# KiCad board SuppChargerTester.kicad_pcb
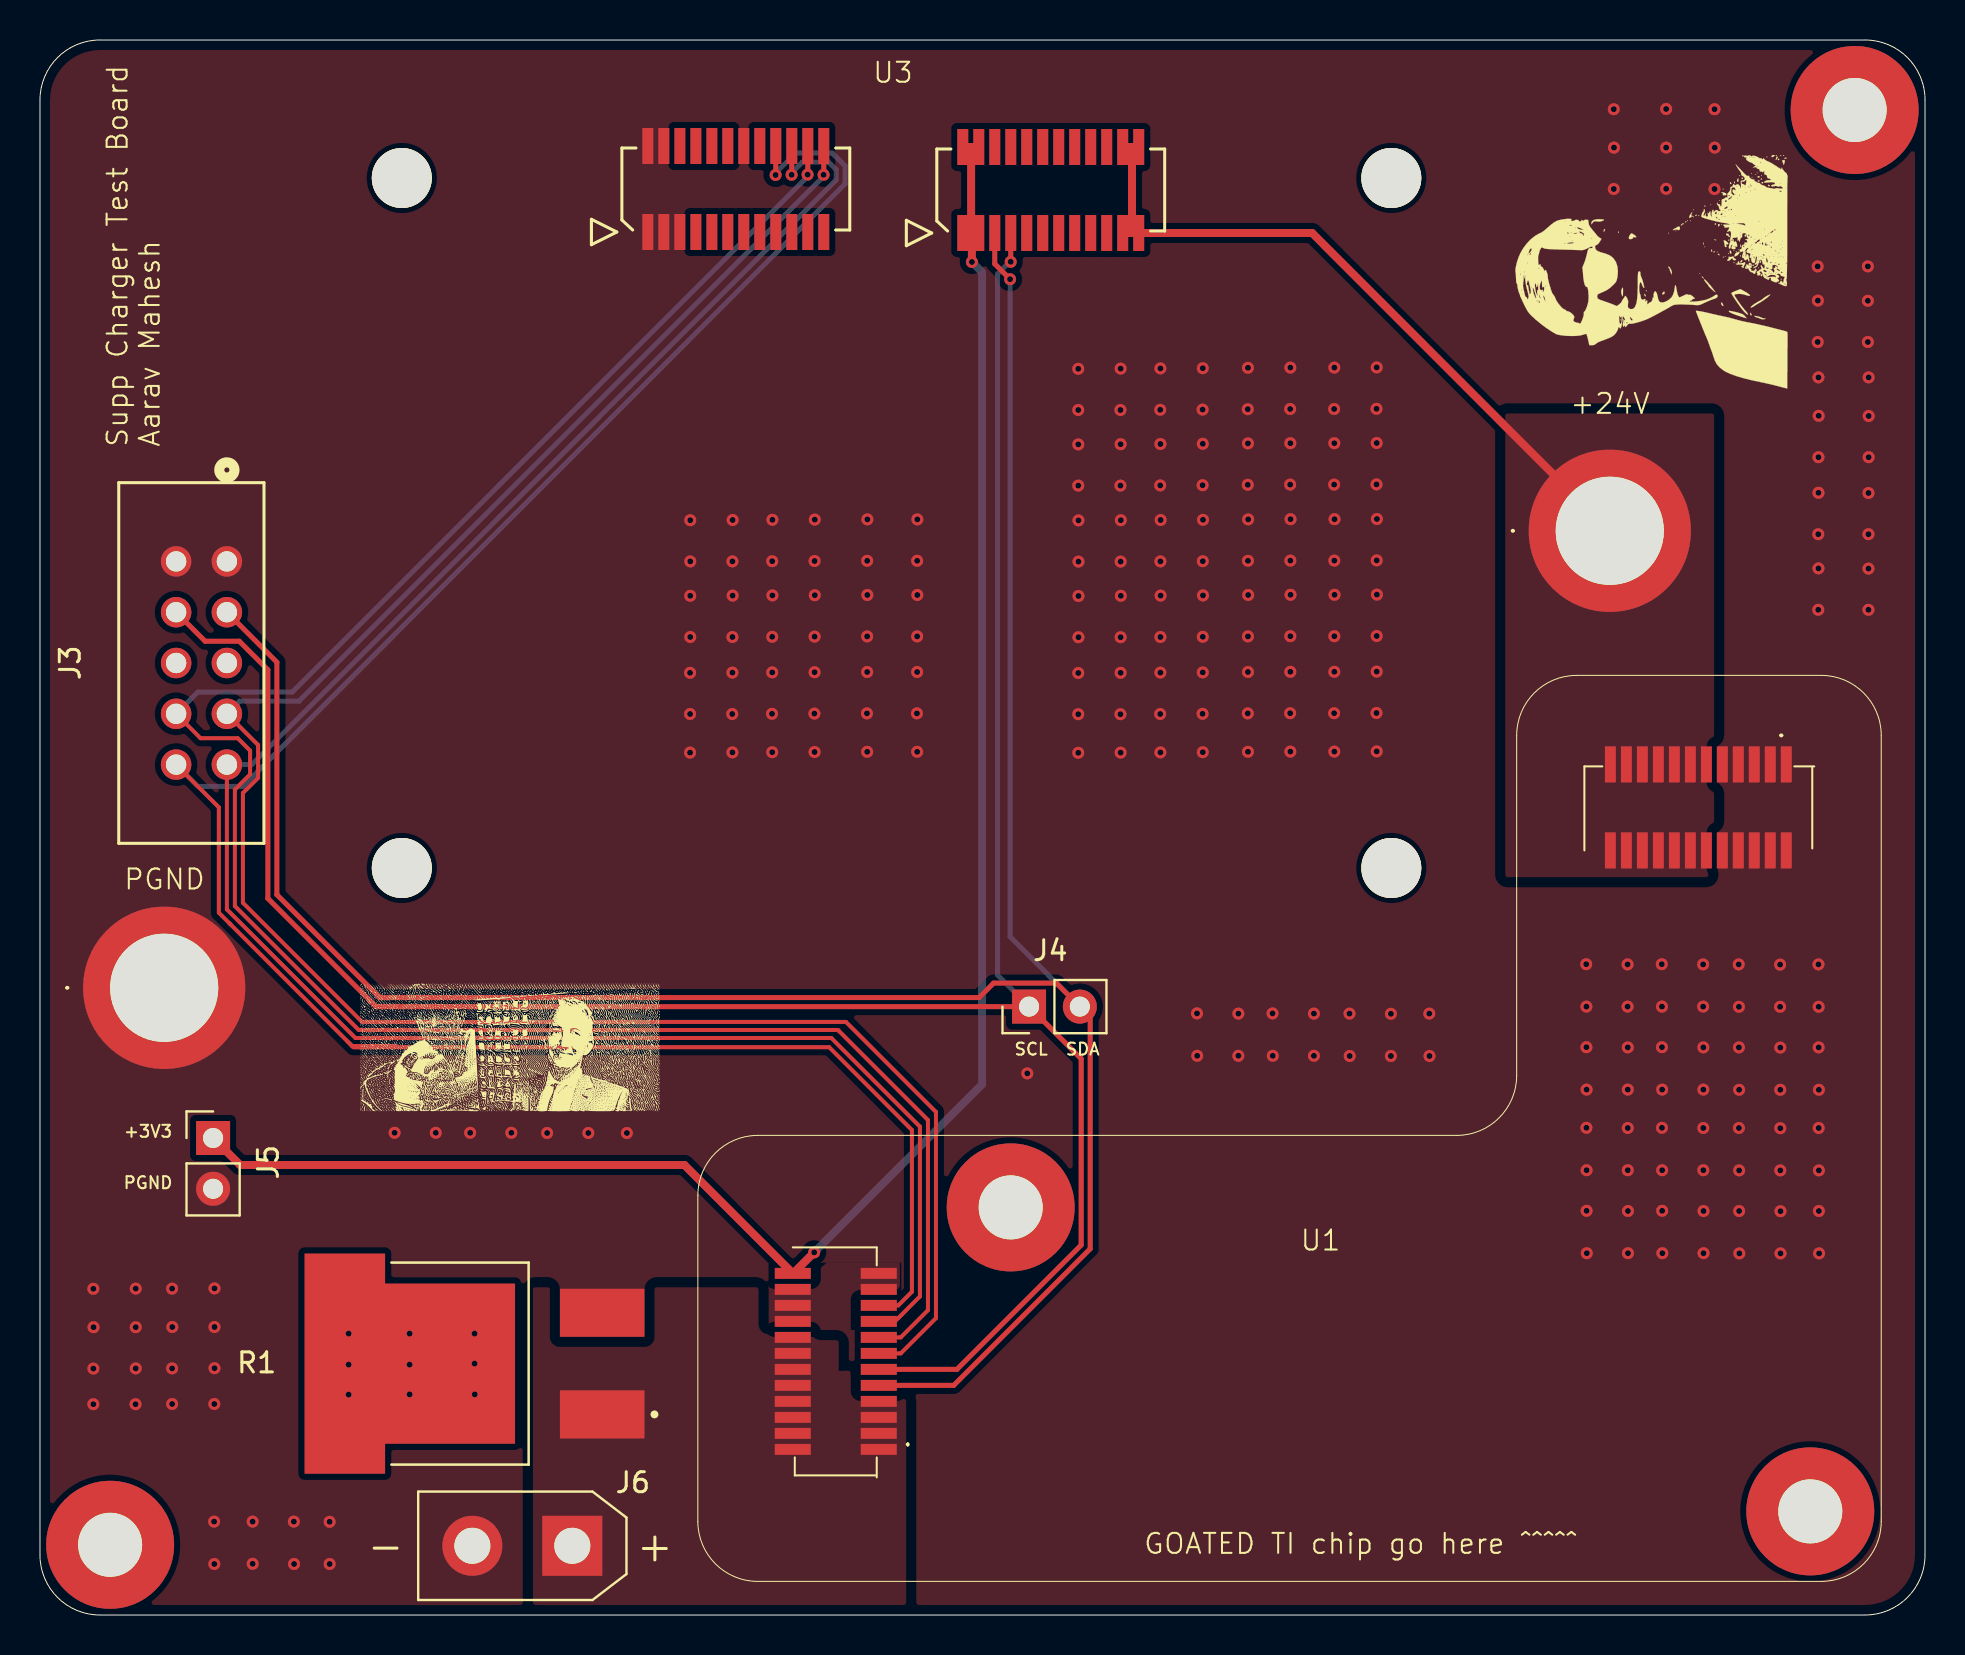
[diagram p0: board, top side]
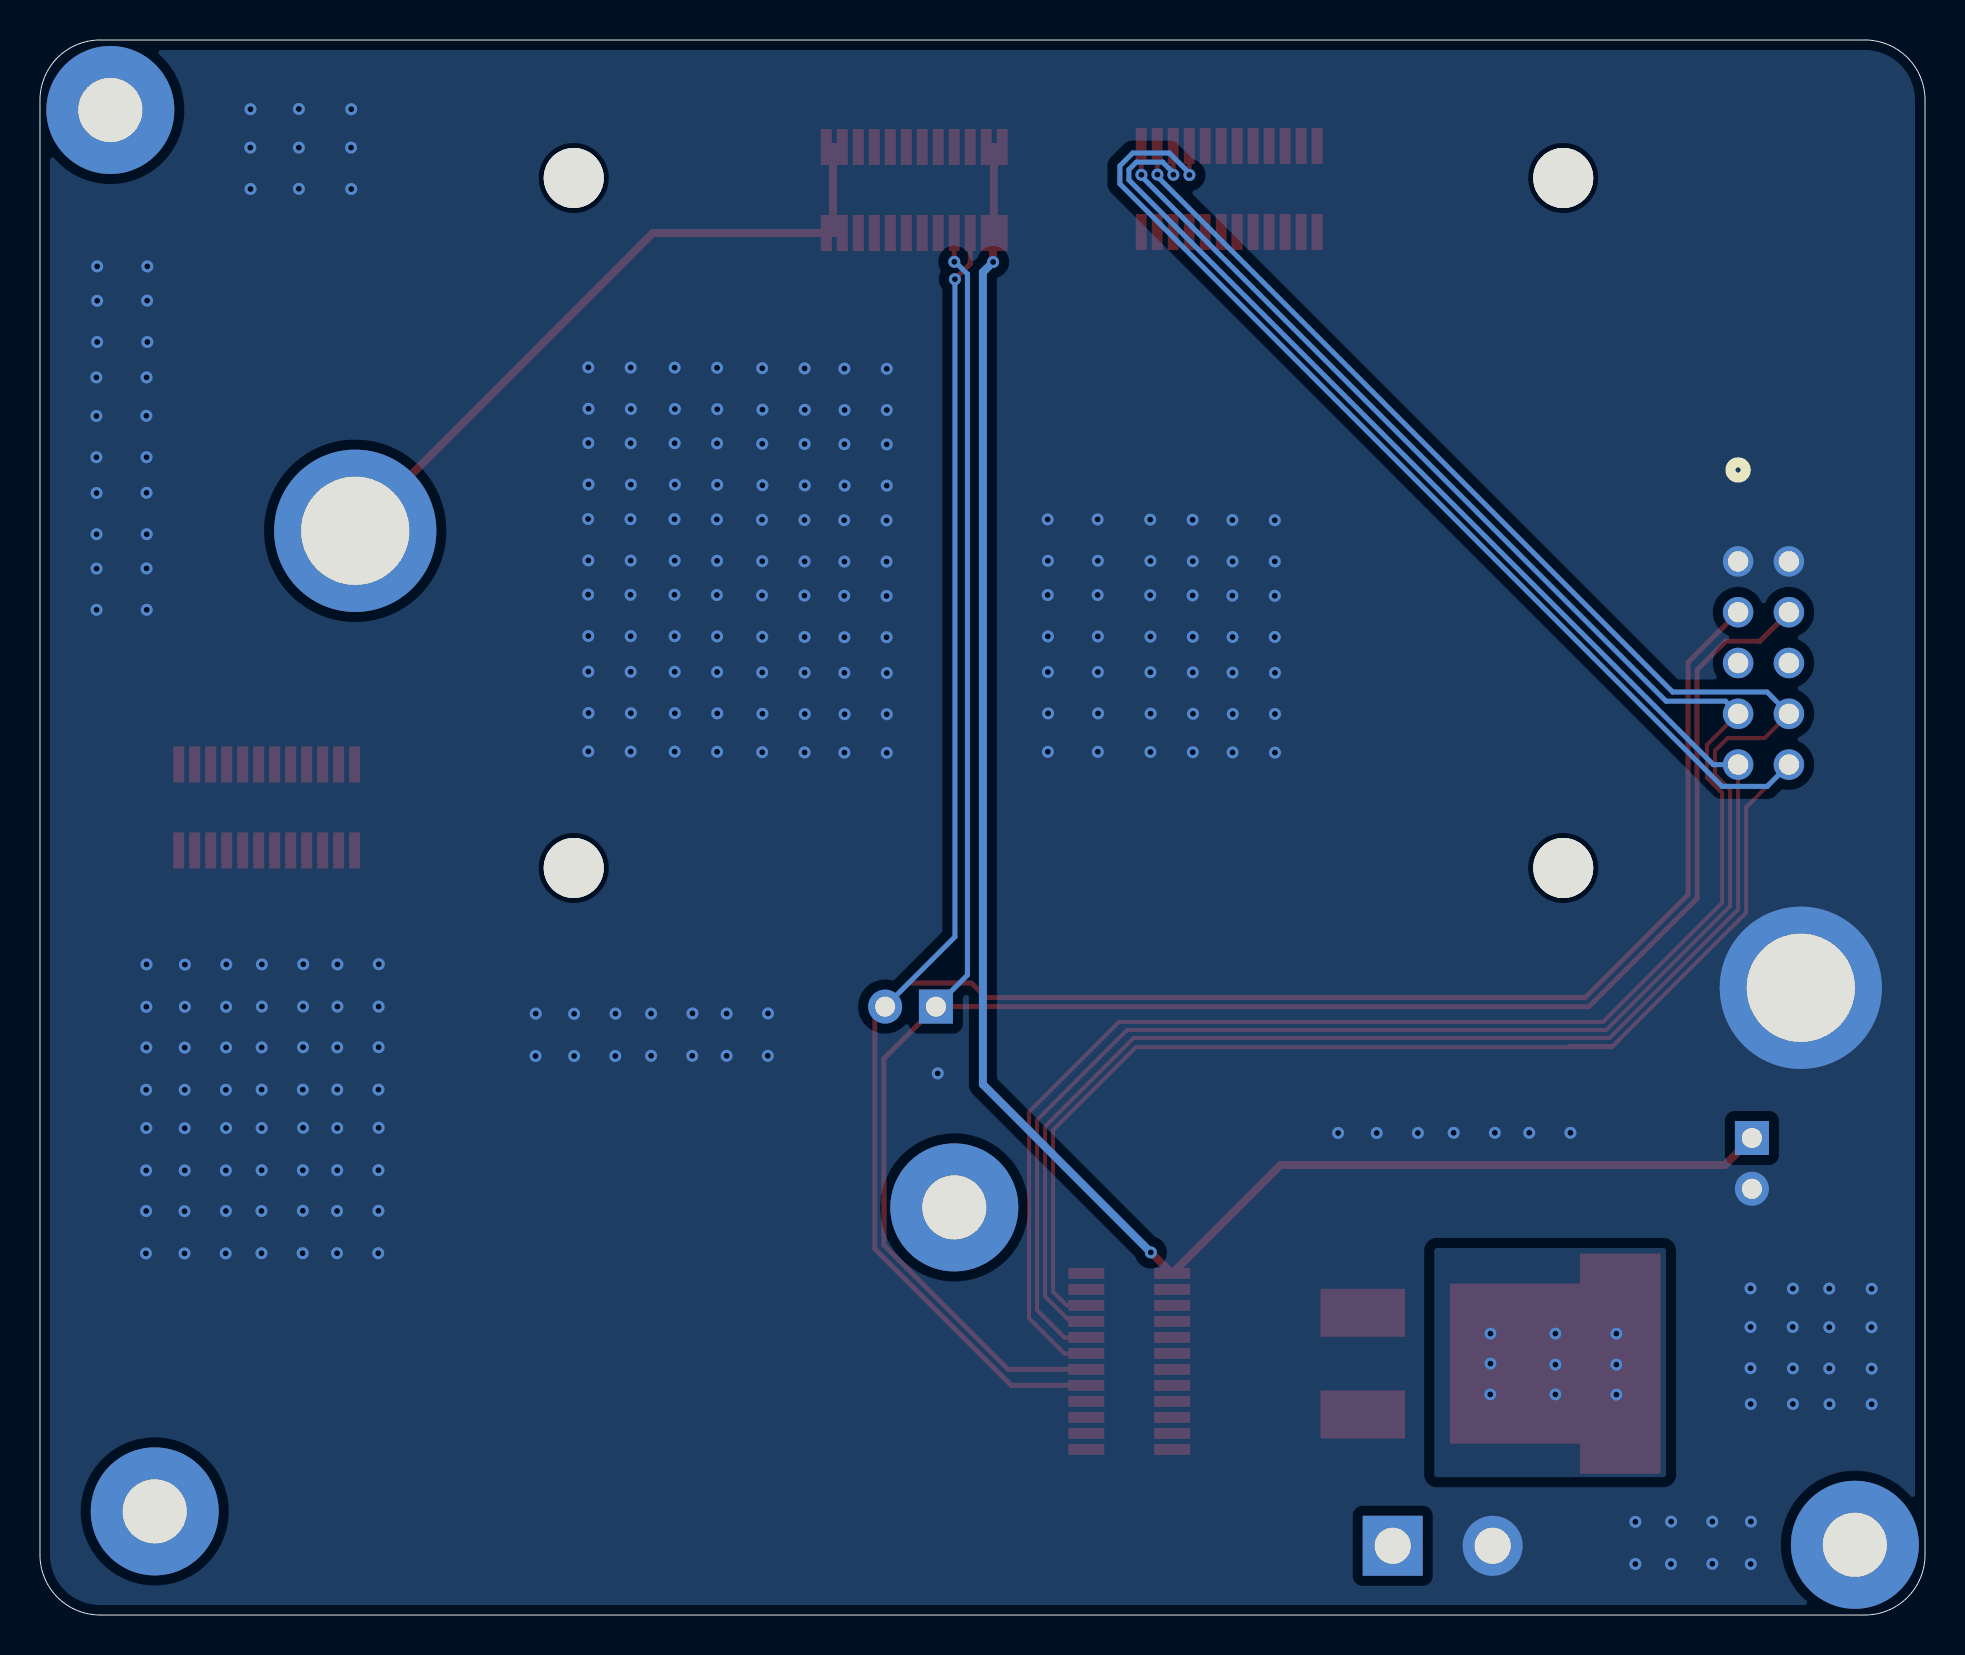
[diagram p1: board, bottom side, seen from below]

Outline 94.3 x 78.75 mm; copper layers: Top, Bottom. Coordinates in mm from the lower left corner of the outline.
Outline path: 0,75.75 arc(0.88,77.87) 3,78.75 91.3,78.75 arc(93.42,77.87) 94.3,75.75 94.3,3 arc(93.42,0.88) 91.3,0 3,0 arc(0.88,0.88) 0,3 0,75.75

## Placement (name value [footprint] x y rotation side)
G***  -  [LOGO]  23.51 28.38 0 top
H1  MountingHole  [MountingHole_3.2mm_M3_Pad_TopBottom]  3.51 3.51 0 top
H2  MountingHole  [MountingHole_3.2mm_M3_Pad_TopBottom]  90.78 75.25 0 top
J1  Conn_01x01  [5754]  78.53 54.21 0 top
J2  Conn_01x01  [5754]  6.21 31.36 0 top
J3  SFH11-PBPC-D05-ST-BK  [CONN_SFH11-xxxC-D05-ST-XX_SUL]  9.35 52.68 270 top
J4  Conn_01x02  [PinHeader_1x02_P2.54mm_Vertical]  49.48 30.42 90 top
J5  Conn_01x02  [PinHeader_1x02_P2.54mm_Vertical]  8.66 23.85 0 top
J6  Conn_01x02  [AMASS_XT30UPB-M_1x02_P5.0mm_Vertical]  26.63 3.46 180 top
LOGO2  Dr. Hallock  [LHRs_LOGO]  8.74 65.19 90 top
LOGO3  Dr. Hallock  [Hallock_Image_Tiny]  80.44 66.68 90 top
R1  PWR263S-35-R500F  [RES_PWR263S-35-3300F]  21.74 12.57 180 top
U1  Supp Charger  [SuppCharger]  81.66 13.13 0 top
U3  -  [LeaderSOM]  42.69 77.3 0 top

## Library data of the parts
H1 H2 = -: Description: Mounting Hole without connection; ki_fp_filters: MountingHole*
J1 J2 = -: Description: Generic connector, single row, 01x01, script generated (kicad-library-utils/schlib/autogen/connector/); ki_fp_filters: Connector*:*_1x??_*
J3 = -: Datasheet: https://www.digikey.com/en/products/detail/sullins-connector-solutions/SFH11-PBPC-D05-ST-BK/1990087?gclsrc=aw.ds&gad_source=1&gad_campaignid=120565755&gbraid=0AAAAADrbLljEsXDDEt5svizMM4jeYrL-A&gclid=Cj0KCQjwwZDFBhCpARIsAB95qO2YCKMg2VQme3QQBBCFa3dTLVMMS-qCbMZE8KZJpYe-_Bi6ULwi-x0aAvv3EALw_wcB; Description: Connector interfacing with logic analyzers; ki_fp_filters: CONN_SFH11-xxxC-D05-ST-XX_SUL
J4-J6 = -: Description: Generic connector, single row, 01x02, script generated (kicad-library-utils/schlib/autogen/connector/); ki_fp_filters: Connector*:*_1x??_*
LOGO2 LOGO3 = -: Description: Graph footprint placeholder
R1 = -: Datasheet: http://www.bourns.com/docs/Product-Datasheets/PWR263S-35.pdf; Description: Thick Film Resistors - SMD 0.5Ohms 1% 250V; Height: 4.88; Mouser Part Number: 652-PWR263S35R500F; Mouser Price/Stock: https://www.mouser.co.uk/ProductDetail/Bourns/PWR263S-35-R500F?qs=oyIm%2F3giSj4Rf%2FlV2hVY6w%3D%3D; Manufacturer_Name: Bourns
U1 = -: Datasheet: https://www.digikey.com/en/products/detail/molex/0533072471/3197073; P/N: 53307-2471
U3 = -: Datasheet: https://github.com/lhr-solar/LeaderSOMPCB; Description: Symbol for both board-to-board connectors from the LeaderSOM

## Footprints (pads in the part's own frame, mm; a bottom-side part is the same pattern mirrored in y, then rotated)
5754
  round 8.115 hole 5.41: 1(0,0)
AMASS_XT30UPB-M_1x02_P5.0mm_Vertical
  rect 3x3 hole 1.8: 1(0,0)
  round 3 hole 1.8: 2(5,0)
CONN_SFH11-xxxC-D05-ST-XX_SUL
  round 1.524 hole 1.016: 1(0,0) 2(0,-2.54) 3(2.54,0) 4(2.54,-2.54) 5(5.08,0) 6(5.08,-2.54) 7(7.62,0) 8(7.62,-2.54) 9(10.16,0) 10(10.16,-2.54)
LeaderSOM
  round 3 hole 3 unplated: (-24.59,-5.45) (-24.59,-39.95) (24.91,-5.45) (24.91,-39.95)
  rect 0.55x1.8 smd: 1(3.474,-8.2) 2(3.474,-3.9) 3(4.274,-8.2) 4(4.274,-3.9) 5(5.074,-8.2) 6(5.074,-3.9) 7(5.874,-8.2) 8(5.874,-3.9) 9(6.674,-8.2) 10(6.674,-3.9) 11(7.474,-8.2) 12(7.474,-3.9) 13(8.274,-8.2) 14(8.274,-3.9) 15(9.074,-8.2) 16(9.074,-3.9) 17(9.874,-8.2) 18(9.874,-3.9) 19(10.674,-8.2) 20(10.674,-3.9) 21(11.474,-8.2) 22(11.474,-3.9) 23(12.274,-8.2) 24(12.274,-3.9) 25(-12.28,-8.15) 26(-12.28,-3.85) 27(-11.48,-8.15) 28(-11.48,-3.85) 29(-10.68,-8.15) 30(-10.68,-3.85) 31(-9.88,-8.15) 32(-9.88,-3.85) 33(-9.08,-8.15) 34(-9.08,-3.85) 35(-8.28,-8.15) 36(-8.28,-3.85) 37(-7.48,-8.15) 38(-7.48,-3.85) 39(-6.68,-8.15) 40(-6.68,-3.85) 41(-5.88,-8.15) 42(-5.88,-3.85) 43(-5.08,-8.15) 44(-5.08,-3.85) 45(-4.28,-8.15) 46(-4.28,-3.85) 47(-3.48,-8.15) 48(-3.48,-3.85)
MountingHole_3.2mm_M3_Pad_TopBottom
  round 3.6 hole 3.2: 1(0,0)
  round 6.4 smd: 1(0,0)
  round 6.4 smd far side: 1(0,0)
PinHeader_1x02_P2.54mm_Vertical
  rect 1.7x1.7 hole 1: 1(0,0)
  oval 1.7x1.7 hole 1: 2(0,-2.54)
RES_PWR263S-35-3300F
  rect 4.23x2.4 smd: 1(-6.385,2.54) 2(-6.385,-2.54)
  custom 10.53x11.01 smd: 3(3.24,0)
SuppCharger
  rect 1.8x0.55 smd: 1(-39.7,-4.85) 2(-44,-4.85) 3(-39.7,-4.05) 4(-44,-4.05) 5(-39.7,-3.25) 6(-44,-3.25) 7(-39.7,-2.45) 8(-44,-2.45) 9(-39.7,-1.65) 10(-44,-1.65) 11(-39.7,-0.85) 12(-44,-0.85) 13(-39.7,-0.05) 14(-44,-0.05) 15(-39.7,0.75) 16(-44,0.75) 17(-39.7,1.55) 18(-44,1.55) 19(-39.7,2.35) 20(-44,2.35) 21(-39.7,3.15) 22(-44,3.15) 23(-39.7,3.95) 24(-44,3.95)
  rect 0.55x1.8 smd: 25(5.7,29.4) 26(5.7,25.1) 27(4.9,29.4) 28(4.9,25.1) 29(4.1,29.4) 30(4.1,25.1) 31(3.3,29.4) 32(3.3,25.1) 33(2.5,29.4) 34(2.5,25.1) 35(1.7,29.4) 36(1.7,25.1) 37(0.9,29.4) 38(0.9,25.1) 39(0.1,29.4) 40(0.1,25.1) 41(-0.7,29.4) 42(-0.7,25.1) 43(-1.5,29.4) 44(-1.5,25.1) 45(-2.3,29.4) 46(-2.3,25.1) 47(-3.1,29.4) 48(-3.1,25.1)
  round 3.6 hole 3.2: 49(-33.1,7.25) 50(6.9,-7.95)
  round 6.4 smd: 49(-33.1,7.25) 50(6.9,-7.95)
  round 6.4 smd far side: 49(-33.1,7.25) 50(6.9,-7.95)

## Nets
+3V3: J5.1 U1.24 U3.1 U3.2 U3.3 U3.4
+24V: J1.1 U1.35 U1.36 U1.37 U1.38 U1.39 U1.40 U1.41 U1.42 U1.43 U1.44 U1.45 U1.46 U1.47 U1.48 U3.21 U3.22 U3.23 U3.24
PGND: J2.1 J3.1 J3.2 J5.2 J6.2 R1.2 U1.18 U1.20 U1.21 U1.22 U1.23 U1.25 U1.26 U1.27 U1.28 U1.29 U1.30 U1.31 U1.32 U1.33 U1.34 U3.25 U3.26 U3.27 U3.28 U3.29 U3.38
+BATT: J6.1 R1.1 U1.1 U1.2 U1.3 U1.4 U1.5 U1.6 U1.7 U1.8 U1.10 U1.12 U1.14 U1.16
/*CE: J3.10 U1.19 U3.42
/*INT: J3.7 U1.13 U3.48
/SCL: J3.4 J4.1 U1.11 U3.7
/SDA: J3.3 J4.2 U1.9 U3.5
/STAT1: J3.8 U1.15 U3.46
/STAT2: J3.9 U1.17 U3.44
/ThermalPad: R1.3

Pads without a net: H1 1; H2 1; J3 5 6; U1 49 50; U3 6 8 9 10 11 12 13 14 15 16 17 18 19 20 30 31 32 33 34 35 36 37 39 40 41 43 45 47

## Via types
v1: diameter 0.6, hole 0.3, Top to Bottom, 278 vias

## Routing (per net, layer and track width the routed paths; a pad name or vN(x,y) marks a point on that pad's centre or on a via; arc(x,y) is an arc through that point)
+3V3: length 93.9
  Top w0.4: v1(38.73,18.13) 37.68,17.08 U1.24 32.24,22.5 10.01,22.5 J5.1 ; U3.1 46.57,69.1 ; 46.57,69.1 46.58,69.11 46.58,73.4 ; 46.57,69.1 U3.3 ; 46.57,69.1 46.62,69.05 v1(46.62,67.65) ; 46.58,73.4 U3.2 ; 46.58,73.4 U3.4
  Bottom w0.4: v1(38.73,18.13) 47.13,26.53 47.13,67.14 v1(46.62,67.65)
+24V: length 35.7
  Top w0.4: U3.22 54.63,73.4 ; 54.63,73.4 54.63,69.14 54.59,69.1 ; 54.63,73.4 U3.24 ; 54.59,69.1 U3.21 ; 54.59,69.1 63.64,69.1 J1.1
PGND:
  vias: v1(2.67,16.31) v1(2.68,14.39) v1(2.67,12.32) v1(2.67,10.54) v1(4.79,16.32) v1(4.79,14.39) v1(4.79,12.33) v1(4.78,10.54) v1(6.61,16.32) v1(6.62,14.4) v1(6.61,12.33) v1(6.61,10.55) v1(8.73,16.33) v1(8.73,14.4) v1(8.73,12.34) v1(8.72,10.55) v1(8.71,4.67) v1(8.72,2.55) v1(10.64,4.67) v1(10.64,2.56) v1(12.7,4.67) v1(12.71,2.55) v1(14.49,4.66) v1(14.49,2.55) v1(17.74,24.11) v1(19.8,24.11) v1(21.52,24.11) v1(23.58,24.11) v1(25.37,24.1) v1(27.43,24.1) v1(29.36,24.1) v1(32.53,54.74) v1(32.53,52.68) v1(32.53,50.96) v1(32.53,48.9) v1(32.52,47.11) v1(32.52,45.05) v1(32.52,43.12) v1(34.65,54.75) v1(34.64,52.68) v1(34.65,50.97) v1(34.64,48.9) v1(34.64,47.12) v1(34.63,45.05) v1(34.64,43.13) v1(36.64,54.76) v1(36.63,52.69) v1(36.64,50.98) v1(36.63,48.91) v1(36.63,47.13) v1(36.62,45.06) v1(36.63,43.14) v1(38.76,54.77) v1(38.75,52.7) v1(38.76,50.99) v1(38.75,48.92) v1(38.75,47.14) v1(38.74,45.07) v1(38.75,43.15) v1(41.37,45.08) v1(41.39,54.78) v1(41.38,52.71) v1(41.39,51) v1(41.38,48.93) v1(41.38,47.15) v1(41.38,43.16) v1(43.87,45.08) v1(43.89,54.78) v1(43.88,52.71) v1(43.89,51) v1(43.88,48.93) v1(43.88,47.15) v1(43.88,43.16) v1(49.39,27.08) v1(51.94,62.31) v1(51.94,60.25) v1(51.94,58.53) v1(51.94,56.47) v1(51.95,54.73) v1(51.95,52.67) v1(51.95,50.95) v1(51.95,48.89) v1(51.94,47.1) v1(51.94,45.04) v1(51.94,43.11) v1(54.06,62.32) v1(54.05,60.25) v1(54.06,58.54) v1(54.05,56.47) v1(54.07,54.74) v1(54.06,52.67) v1(54.07,50.96) v1(54.06,48.89) v1(54.06,47.11) v1(54.05,45.04) v1(54.06,43.12) v1(56.05,62.33) v1(56.04,60.26) v1(56.05,58.55) v1(56.04,56.48) v1(56.06,54.75) v1(56.05,52.68) v1(56.06,50.97) v1(56.05,48.9) v1(56.05,47.12) v1(56.04,45.05) v1(56.05,43.13) v1(57.88,30.08) v1(57.89,27.96) v1(58.17,62.34) v1(58.16,60.27) v1(58.17,58.56) v1(58.16,56.49) v1(58.18,54.76) v1(58.17,52.69) v1(58.18,50.98) v1(58.17,48.91) v1(58.17,47.13) v1(58.16,45.06) v1(58.17,43.14) v1(59.95,30.07) v1(59.95,27.96) v1(60.43,62.36) v1(60.42,60.29) v1(60.43,58.58) v1(60.42,56.51) v1(60.44,54.78) v1(60.43,52.71) v1(60.44,51) v1(60.43,48.93) v1(60.43,47.15) v1(60.42,45.08) v1(60.43,43.16) v1(61.66,30.08) v1(61.67,27.96) v1(62.55,62.37) v1(62.54,60.3) v1(62.55,58.59) v1(62.54,56.52) v1(62.56,54.79) v1(62.55,52.72) v1(62.56,51.01) v1(62.55,48.94) v1(62.55,47.16) v1(62.54,45.09) v1(62.55,43.17) v1(63.73,30.07) v1(63.73,27.96) v1(64.75,62.37) v1(64.74,60.3) v1(64.75,58.59) v1(64.74,56.52) v1(64.76,54.79) v1(64.75,52.72) v1(64.76,51.01) v1(64.75,48.94) v1(64.75,47.16) v1(64.74,45.09) v1(64.75,43.17) v1(65.51,30.07) v1(65.52,27.95) v1(66.87,62.38) v1(66.86,60.31) v1(66.87,58.6) v1(66.86,56.53) v1(66.87,52.73) v1(66.87,48.95) v1(66.87,47.17) v1(66.86,45.1) v1(66.87,43.18) v1(66.88,54.8) v1(66.88,51.02) v1(67.58,30.06) v1(67.58,27.95) v1(69.5,30.07) v1(69.51,27.95) v1(77.35,32.54) v1(77.36,30.42) v1(77.36,28.39) v1(77.37,26.27) v1(77.36,24.36) v1(77.37,22.24) v1(77.37,20.21) v1(77.38,18.09) v1(78.73,75.29) v1(78.74,73.37) v1(78.73,71.3) v1(79.42,32.53) v1(79.42,30.42) v1(79.43,28.38) v1(79.43,26.27) v1(79.43,24.35) v1(79.43,22.24) v1(79.44,20.2) v1(79.44,18.09) v1(81.13,32.54) v1(81.14,30.42) v1(81.14,28.39) v1(81.15,26.27) v1(81.14,24.36) v1(81.15,22.24) v1(81.15,20.21) v1(81.16,18.09) v1(81.35,75.3) v1(81.35,73.37) v1(81.35,71.31) v1(83.2,32.53) v1(83.2,30.42) v1(83.21,28.38) v1(83.21,26.27) v1(83.21,24.35) v1(83.21,22.24) v1(83.22,20.2) v1(83.22,18.09) v1(83.77,75.29) v1(83.77,71.3) v1(83.78,73.37) v1(84.98,32.53) v1(84.99,30.41) v1(84.99,28.38) v1(85,26.26) v1(84.99,24.35) v1(85,22.23) v1(85,20.2) v1(85.01,18.08) v1(87.05,32.52) v1(87.05,30.41) v1(87.06,28.37) v1(87.06,26.26) v1(87.06,24.34) v1(87.06,22.23) v1(87.07,20.19) v1(87.07,18.08) v1(88.93,67.43) v1(88.94,65.72) v1(88.93,63.65) v1(88.97,61.88) v1(88.98,59.96) v1(88.97,57.89) v1(88.97,56.11) v1(88.96,54.04) v1(88.97,52.33) v1(88.96,50.26) v1(88.97,32.53) v1(88.98,30.41) v1(88.98,28.38) v1(88.98,24.35) v1(88.99,26.26) v1(88.99,22.23) v1(88.99,20.2) v1(89,18.08) v1(91.44,67.43) v1(91.44,65.71) v1(91.44,63.65) v1(91.47,56.1) v1(91.47,54.04) v1(91.47,52.32) v1(91.47,50.26) v1(91.48,61.88) v1(91.48,59.95) v1(91.48,57.89)
/*CE: length 113.4
  Top w0.2: 9.47,34.59 9.55,34.52 ; 9.47,34.59 8.95,35.11 8.95,40.38 J3.10 ; 9.47,34.59 15.61,28.45 17.82,28.45 ; U1.19 42.94,15.48 43.62,16.16 43.62,24.25 39.48,28.39 15.99,28.39 ; 15.99,28.39 15.67,28.39 15.38,28.68 ; 15.99,28.39 15.75,28.39
  Top w0.25: v1(36.8,72) 36.81,72.01 U3.42
  Bottom w0.25: J3.10 7.9,41.43 10.15,41.43 40.28,71.56 40.28,72.46 39.64,73.1 37.8,73.1 36.8,72.1 v1(36.8,72)
/*INT: length 105.8
  Top w0.2: J3.7 10.91,43.5 10.91,41.86 10.15,41.1 10.15,35.61 16.11,29.65 40.32,29.65 44.82,25.15 44.82,14.84 43.06,13.08 U1.13
  Top w0.25: 39.2,72.02 39.21,72.03 U3.48
  Bottom w0.25: J3.7 9.98,45.69 12.95,45.69 39.2,71.94 v1(39.2,72.01)
/SCL: length 122.9
  Top w0.25: J3.4 8.26,48.69 9.97,48.69 11.4,47.26 11.4,35.83 16.81,30.42 J4.1 52.09,27.81 52.09,18.5 45.87,12.28 U1.11 ; v1(48.56,67.66) 48.56,67.66 U3.7
  Bottom w0.25: J4.1 47.9,32 47.9,67.05 48.51,67.66 v1(48.56,67.66)
/SDA: length 124.4
  Top w0.25: v1(48.53,66.79) 47.76,67.56 U3.5 ; J3.3 11.85,47.64 11.85,36.02 17,30.87 46.98,30.87 47.7,31.6 50.84,31.6 J4.2 52.54,29.9 52.54,18.31 45.71,11.48 U1.9
  Bottom w0.25: v1(48.53,66.79) 48.53,33.91 J4.2
/STAT1: length 108.5
  Top w0.2: J3.8 8.03,43.84 9.89,43.84 10.51,43.22 10.51,42.03 9.75,41.27 9.75,35.45 15.95,29.25 39.92,29.25 44.42,24.75 44.42,15.24 43.06,13.88 U1.15
  Top w0.25: U3.46 38.41,72.02 38.4,72.01 ; 38.41,72.03 v1(38.4,72.02)
  Bottom w0.25: J3.8 7.9,46.15 12.62,46.15 38.4,71.92 v1(38.4,72.02)
/STAT2: length 104.8
  Top w0.2: U1.17 42.77,14.68 44.02,15.93 44.02,24.42 39.59,28.85 15.78,28.85 9.35,35.28 J3.9
  Top w0.25: 37.6,71.98 37.6,72.03 37.61,72.04 U3.44 ; 37.61,72.02 v1(37.6,72.01)
  Bottom w0.25: v1(37.6,72.01) 37.6,72.11 38.14,72.65 39.45,72.65 39.83,72.27 39.83,71.75 10.6,42.52 J3.9
/ThermalPad:
  vias: v1(15.44,14.07) v1(15.44,12.52) v1(15.44,11.02) v1(18.49,14.07) v1(18.49,12.52) v1(18.49,11.03) v1(21.74,14.07) v1(21.74,12.57) v1(21.75,11.03)

## Copper pours and planes (outline as drawn; the poured copper is in the pictures)
+24V on Top: 83.75,36.89 83.75,60.08 73.3,60.08 73.3,36.89
PGND on Top: 0,78.75 94.3,78.75 94.3,0 0,0
PGND on Top: 36.45,17.61 43.09,17.61 43.09,14.25 36.45,14.25
PGND on Bottom: 0,78.75 94.29,78.75 94.29,0 0,0
+BATT on Top: 43.33,0.33 43.33,12.23 39.96,12.21 39.95,16.39 24.66,16.39 24.66,0.33
/ThermalPad on Bottom: 12.96,18.35 24.55,18.35 24.55,6.89 12.96,6.89

## Text on the board
F.Silkscreen: SCL | SDA | PGND | +3V3 | +24V | Supp Charger Test Board / Aarav Mahesh
